# KiCad board ben-eater-computer.kicad_pcb
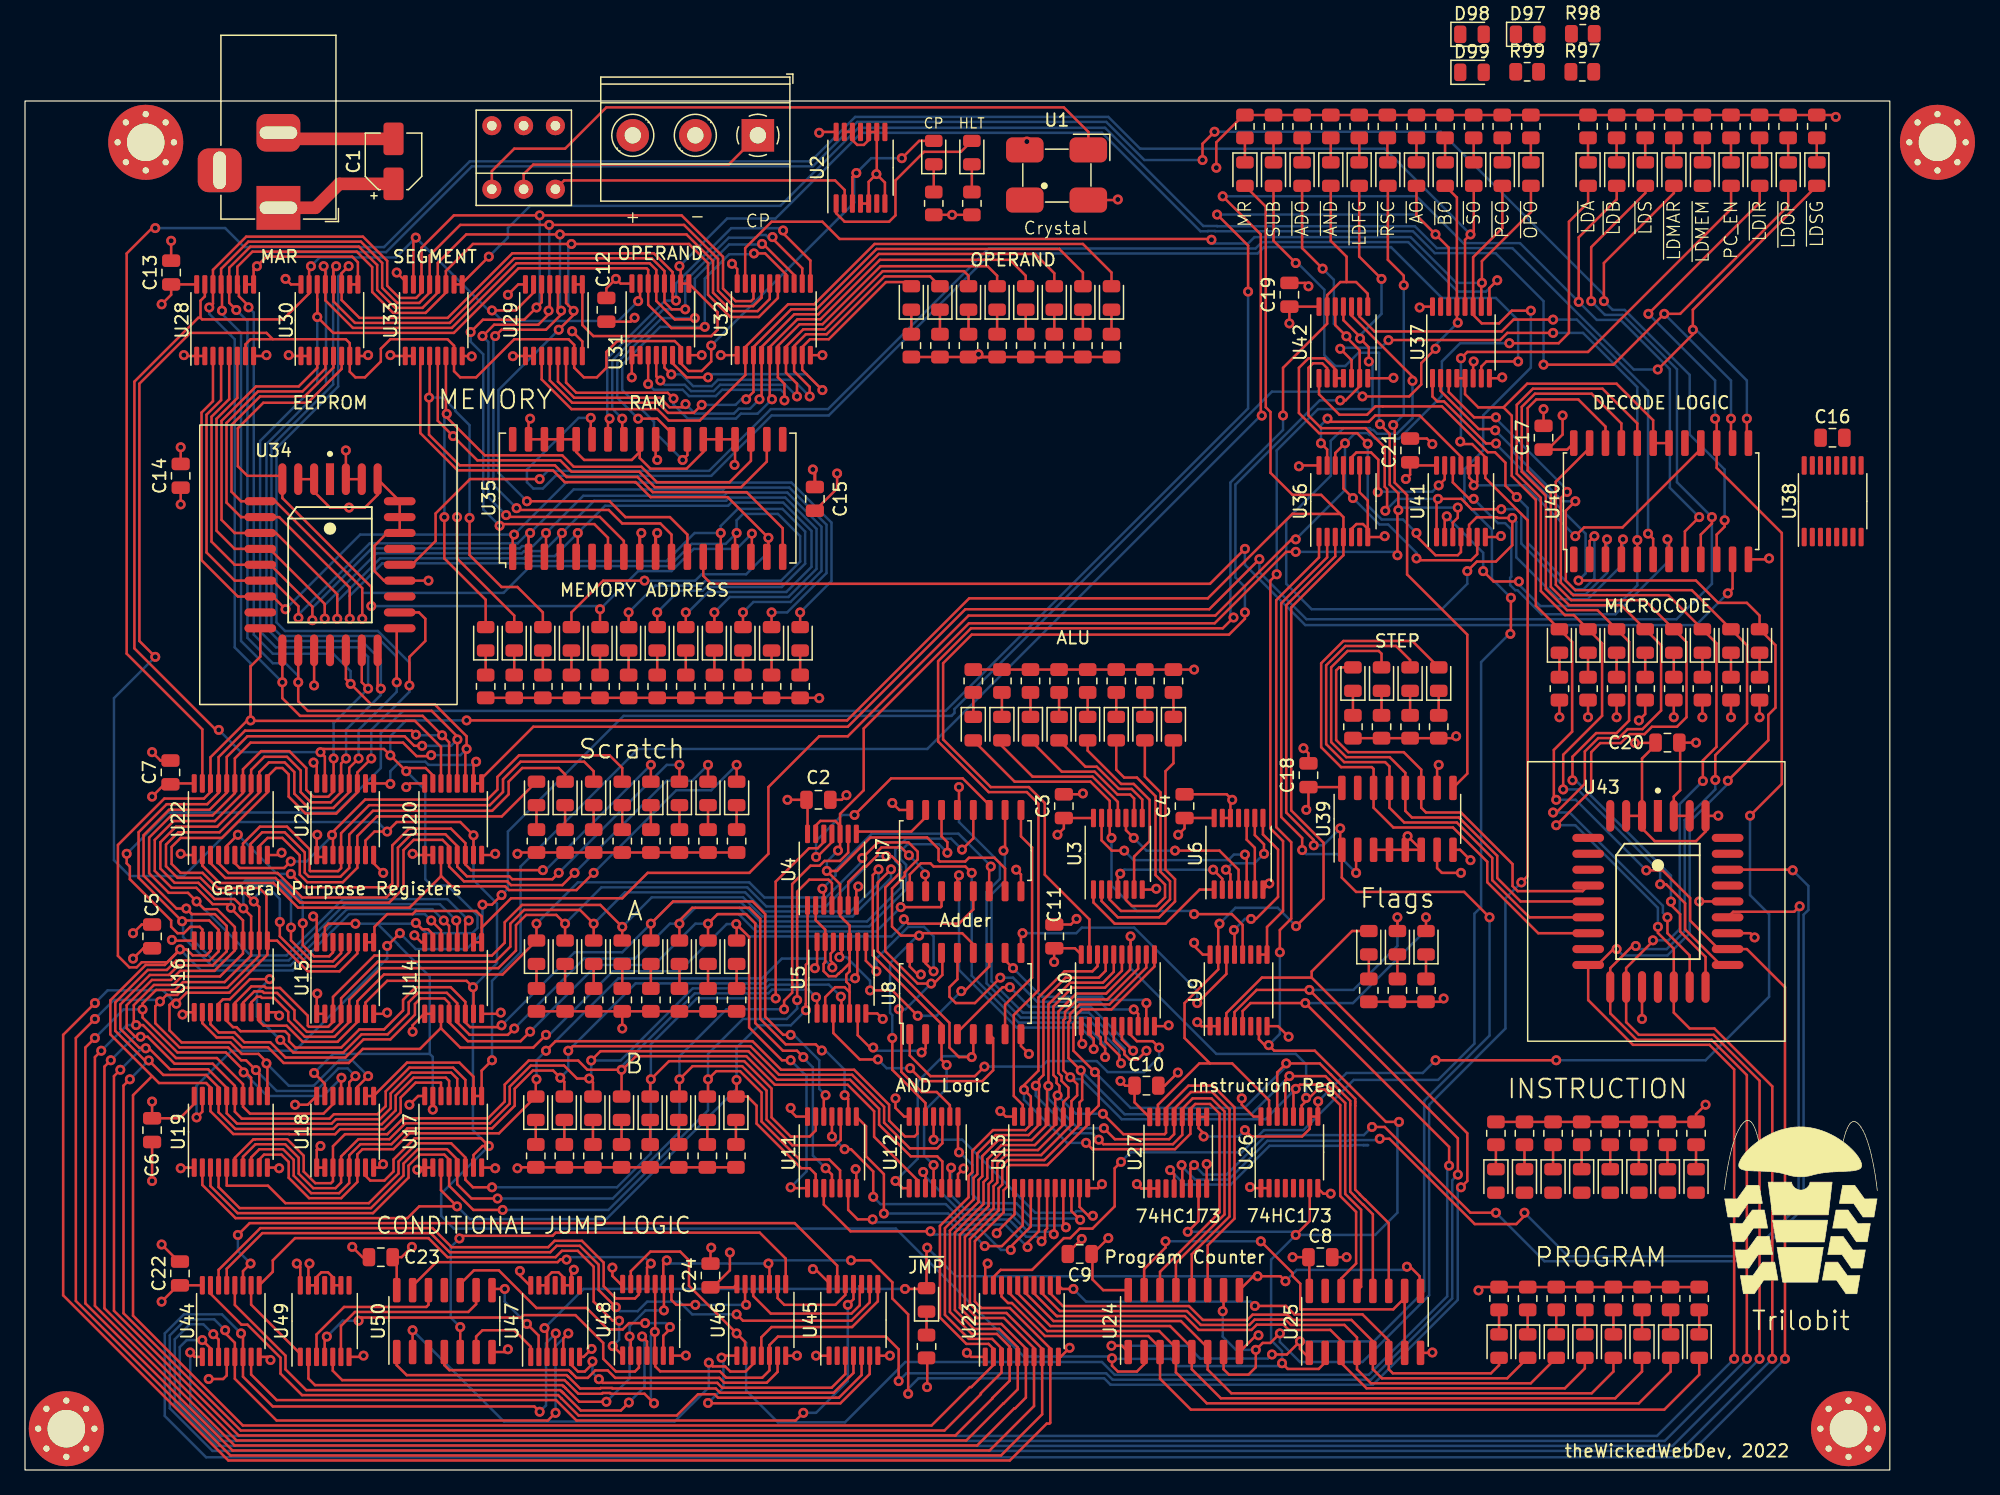
[diagram p0: board, top side]
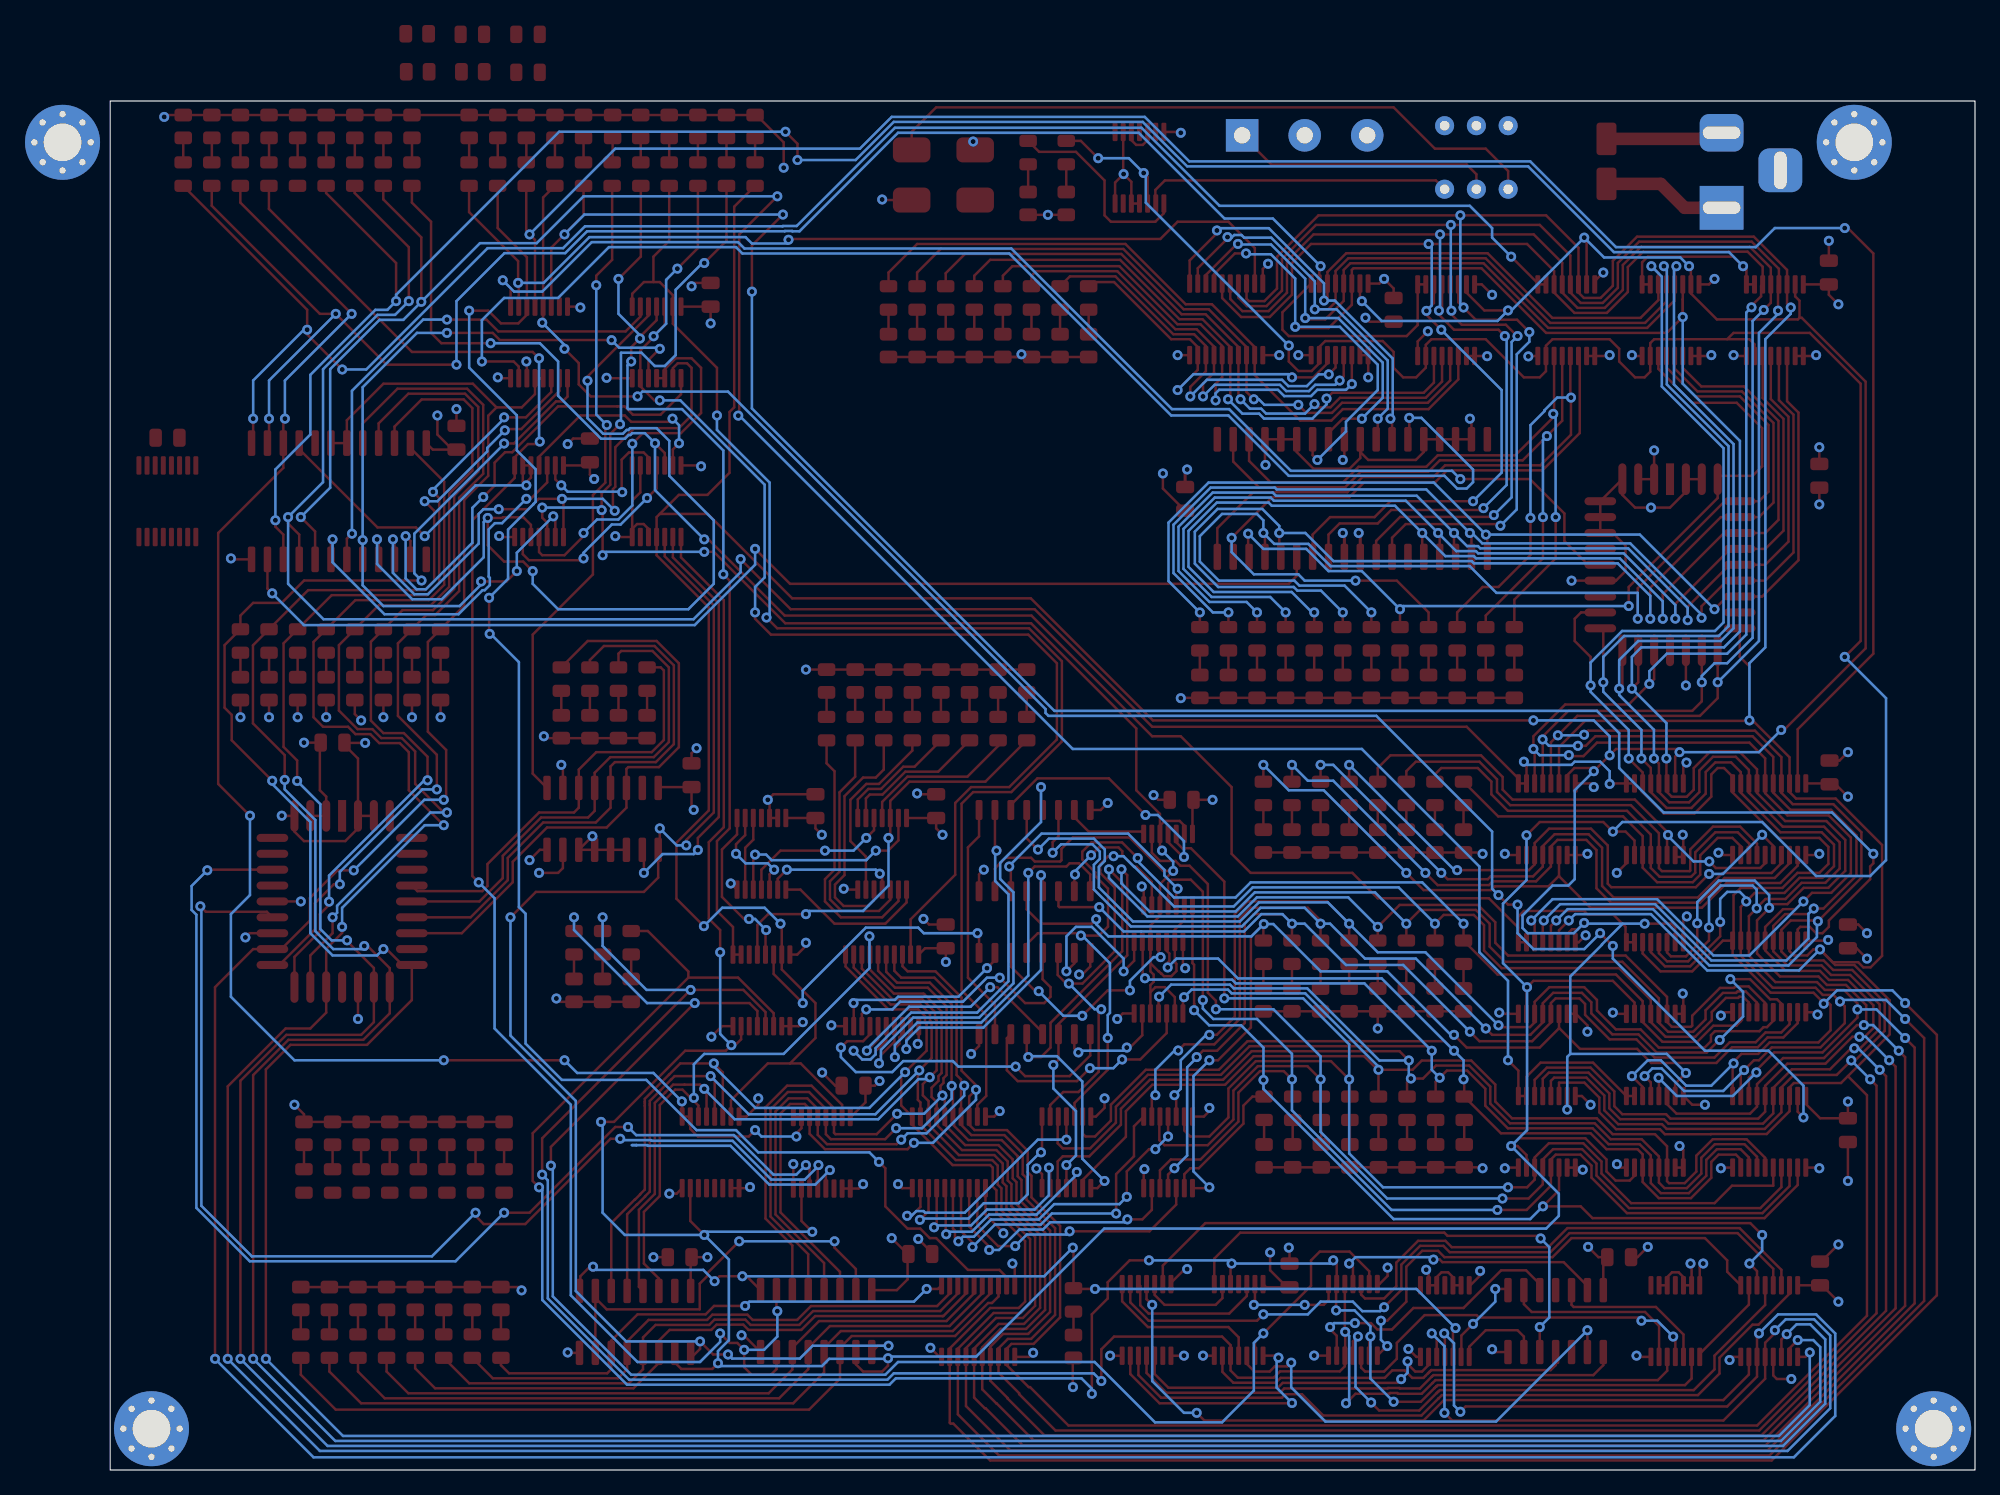
[diagram p1: board, bottom side, seen from below]

Outline 149.1 x 109.47 mm; copper layers: Top, In1.Cu, In2.Cu, Bottom. Coordinates in mm from the lower left corner of the outline.
Outline path: rectangle 0,109.47 149.1,0
Stack: Top 0.035mm / dielectric 1.51mm FR4 er 4.5 / In1.Cu 0.035mm / dielectric 1.51mm FR4 er 4.5 / In2.Cu 0.035mm / dielectric 1.51mm FR4 er 4.5 / Bottom 0.035mm

## Placement (name value [footprint] x y rotation side)
C1  C_Polarized  [CP_Elec_4x3]  29.46 104.65 90 top
C2  C  [C_0805_2012Metric]  63.43 53.59 0 top
C3  C  [C_0805_2012Metric]  83.06 53.09 90 top
C4  C  [C_0805_2012Metric]  92.71 53.09 90 top
C5  C  [C_0805_2012Metric]  10.16 42.67 270 top
C6  C  [C_0805_2012Metric]  10.16 27.18 270 top
C7  C  [C_0805_2012Metric]  11.63 55.78 90 top
C8  C  [C_0805_2012Metric]  103.57 17.02 0 top
C9  C  [C_0805_2012Metric]  84.33 17.27 180 top
C10  C  [C_0805_2012Metric]  89.66 30.73 0 top
C11  C  [C_0805_2012Metric]  82.3 42.67 90 top
C12  C  [C_0805_2012Metric]  46.48 92.78 270 top
C13  C  [C_0805_2012Metric]  11.68 95.76 90 top
C14  C  [C_0805_2012Metric]  12.45 79.5 90 top
C15  C  [C_0805_2012Metric]  63.15 77.66 90 top
C16  C  [C_0805_2012Metric]  144.51 82.55 0 top
C17  C  [C_0805_2012Metric]  121.41 82.55 90 top
C18  C  [C_0805_2012Metric]  102.62 55.56 90 top
C19  C  [C_0805_2012Metric]  101.09 93.98 90 top
C20  C  [C_0805_2012Metric]  131.32 58.17 180 top
C21  C  [C_0805_2012Metric]  110.74 81.53 90 top
C22  C  [C_0805_2012Metric]  12.39 15.72 90 top
C23  C  [C_0805_2012Metric]  28.45 17.02 180 top
C24  C  [C_0805_2012Metric]  54.81 15.56 90 top
D1  LED  [LED_0805_2012Metric]  72.66 105.35 90 top
D2  LED  [LED_0805_2012Metric]  75.7 105.35 90 top
D3  LED  [LED_0805_2012Metric]  75.82 59.29 270 top
D4  LED  [LED_0805_2012Metric]  78.11 59.29 270 top
D5  LED  [LED_0805_2012Metric]  80.39 59.29 270 top
D6  LED  [LED_0805_2012Metric]  107.44 42.16 90 top
D7  LED  [LED_0805_2012Metric]  82.68 59.29 270 top
D8  LED  [LED_0805_2012Metric]  109.73 42.16 90 top
D9  LED  [LED_0805_2012Metric]  84.96 59.29 270 top
D10  LED  [LED_0805_2012Metric]  112.01 42.16 90 top
D11  LED  [LED_0805_2012Metric]  87.25 59.29 270 top
D12  LED  [LED_0805_2012Metric]  89.53 59.29 270 top
D13  LED  [LED_0805_2012Metric]  91.82 59.29 270 top
D14  LED  [LED_0805_2012Metric]  40.89 41.4 90 top
D15  LED  [LED_0805_2012Metric]  43.18 41.4 90 top
D16  LED  [LED_0805_2012Metric]  45.47 41.4 90 top
D17  LED  [LED_0805_2012Metric]  47.75 41.4 90 top
D18  LED  [LED_0805_2012Metric]  50.04 41.4 90 top
D19  LED  [LED_0805_2012Metric]  52.32 41.4 90 top
D20  LED  [LED_0805_2012Metric]  54.61 41.4 90 top
D21  LED  [LED_0805_2012Metric]  56.9 41.4 90 top
D22  LED  [LED_0805_2012Metric]  40.84 28.93 90 top
D23  LED  [LED_0805_2012Metric]  43.12 28.93 90 top
D24  LED  [LED_0805_2012Metric]  45.41 28.93 90 top
D25  LED  [LED_0805_2012Metric]  47.69 28.93 90 top
D26  LED  [LED_0805_2012Metric]  49.98 28.93 90 top
D27  LED  [LED_0805_2012Metric]  52.27 28.93 90 top
D28  LED  [LED_0805_2012Metric]  54.55 28.93 90 top
D29  LED  [LED_0805_2012Metric]  56.84 28.93 90 top
D30  LED  [LED_0805_2012Metric]  40.89 54.1 90 top
D31  LED  [LED_0805_2012Metric]  43.18 54.1 90 top
D32  LED  [LED_0805_2012Metric]  45.47 54.1 90 top
D33  LED  [LED_0805_2012Metric]  47.75 54.1 90 top
D34  LED  [LED_0805_2012Metric]  50.04 54.1 90 top
D35  LED  [LED_0805_2012Metric]  52.32 54.1 90 top
D36  LED  [LED_0805_2012Metric]  54.61 54.1 90 top
D37  LED  [LED_0805_2012Metric]  56.9 54.1 90 top
D38  LED  [LED_0805_2012Metric]  117.86 9.91 270 top
D39  LED  [LED_0805_2012Metric]  120.14 9.91 270 top
D40  LED  [LED_0805_2012Metric]  122.43 9.91 270 top
D41  LED  [LED_0805_2012Metric]  124.71 9.91 270 top
D42  LED  [LED_0805_2012Metric]  127 9.91 270 top
D43  LED  [LED_0805_2012Metric]  129.29 9.91 270 top
D44  LED  [LED_0805_2012Metric]  131.57 9.91 270 top
D45  LED  [LED_0805_2012Metric]  133.86 9.91 270 top
D46  LED  [LED_0805_2012Metric]  117.6 23.11 270 top
D47  LED  [LED_0805_2012Metric]  119.89 23.11 270 top
D48  LED  [LED_0805_2012Metric]  122.17 23.11 270 top
D49  LED  [LED_0805_2012Metric]  124.46 23.11 270 top
D50  LED  [LED_0805_2012Metric]  126.75 23.11 270 top
D51  LED  [LED_0805_2012Metric]  129.03 23.11 270 top
D52  LED  [LED_0805_2012Metric]  131.32 23.11 270 top
D53  LED  [LED_0805_2012Metric]  133.6 23.11 270 top
D54  LED  [LED_0805_2012Metric]  36.83 66.47 90 top
D55  LED  [LED_0805_2012Metric]  39.12 66.47 90 top
D56  LED  [LED_0805_2012Metric]  41.4 66.47 90 top
D57  LED  [LED_0805_2012Metric]  43.69 66.47 90 top
D58  LED  [LED_0805_2012Metric]  45.97 66.47 90 top
D59  LED  [LED_0805_2012Metric]  48.26 66.47 90 top
D60  LED  [LED_0805_2012Metric]  50.55 66.47 90 top
D61  LED  [LED_0805_2012Metric]  52.83 66.47 90 top
D62  LED  [LED_0805_2012Metric]  55.12 66.47 90 top
D63  LED  [LED_0805_2012Metric]  57.4 66.47 90 top
D64  LED  [LED_0805_2012Metric]  59.69 66.47 90 top
D65  LED  [LED_0805_2012Metric]  61.98 66.47 90 top
D66  LED  [LED_0805_2012Metric]  70.87 93.73 90 top
D67  LED  [LED_0805_2012Metric]  73.15 93.73 90 top
D68  LED  [LED_0805_2012Metric]  75.44 93.73 90 top
D69  LED  [LED_0805_2012Metric]  77.72 93.73 90 top
D70  LED  [LED_0805_2012Metric]  80.01 93.73 90 top
D71  LED  [LED_0805_2012Metric]  82.3 93.73 90 top
D72  LED  [LED_0805_2012Metric]  84.58 93.73 90 top
D73  LED  [LED_0805_2012Metric]  86.87 93.73 90 top
D74  LED  [LED_0805_2012Metric]  106.17 63.25 90 top
D75  LED  [LED_0805_2012Metric]  108.46 63.25 90 top
D76  LED  [LED_0805_2012Metric]  110.74 63.25 90 top
D77  LED  [LED_0805_2012Metric]  113.03 63.25 90 top
D78  LED  [LED_0805_2012Metric]  108.97 103.63 270 top
D79  LED  [LED_0805_2012Metric]  136.41 103.63 270 top
D80  LED  [LED_0805_2012Metric]  97.54 103.63 270 top
D81  LED  [LED_0805_2012Metric]  131.83 103.63 270 top
D82  LED  [LED_0805_2012Metric]  143.26 103.63 270 top
D83  LED  [LED_0805_2012Metric]  120.4 103.63 270 top
D84  LED  [LED_0805_2012Metric]  140.98 103.63 270 top
D85  LED  [LED_0805_2012Metric]  134.12 103.63 270 top
D85#2  LED  [LED_0805_2012Metric]  118.12 103.63 270 top
D86  LED  [LED_0805_2012Metric]  138.69 103.63 270 top
D87  LED  [LED_0805_2012Metric]  106.67 103.63 270 top
D88  LED  [LED_0805_2012Metric]  104.4 103.63 270 top
D89  LED  [LED_0805_2012Metric]  102.11 103.63 270 top
D90  LED  [LED_0805_2012Metric]  99.82 103.63 270 top
D91  LED  [LED_0805_2012Metric]  115.83 103.63 270 top
D92  LED  [LED_0805_2012Metric]  129.55 103.63 270 top
D93  LED  [LED_0805_2012Metric]  113.55 103.63 270 top
D94  LED  [LED_0805_2012Metric]  127.26 103.63 270 top
D95  LED  [LED_0805_2012Metric]  111.25 103.63 270 top
D96  LED  [LED_0805_2012Metric]  124.98 103.63 270 top
D97  LED  [LED_0805_2012Metric]  120.14 114.81 0 top
D98  LED  [LED_0805_2012Metric]  115.69 114.81 0 top
D99  LED  [LED_0805_2012Metric]  115.69 111.77 0 top
D100  LED  [LED_0805_2012Metric]  122.68 66.29 90 top
D101  LED  [LED_0805_2012Metric]  124.97 66.29 90 top
D102  LED  [LED_0805_2012Metric]  127.25 66.29 90 top
D103  LED  [LED_0805_2012Metric]  129.54 66.29 90 top
D104  LED  [LED_0805_2012Metric]  131.83 66.29 90 top
D105  LED  [LED_0805_2012Metric]  134.11 66.29 90 top
D106  LED  [LED_0805_2012Metric]  136.4 66.29 90 top
D107  LED  [LED_0805_2012Metric]  138.68 66.29 90 top
D108  LED  [LED_0805_2012Metric]  72.08 13.6 90 top
J1  Screw_Terminal_01x03  [TerminalBlock_Phoenix_MKDS-1,5-3_1x03_P5.00mm_Horizontal]  58.59 106.73 180 top
J2  Barrel_Jack_MountingPin  [BarrelJack_Horizontal]  20.26 100.93 270 top
R1  R_Small_US  [R_0805_2012Metric]  72.66 101.29 270 top
R2  R_Small_US  [R_0805_2012Metric]  75.7 101.29 270 top
R3  R_Small_US  [R_0805_2012Metric]  75.82 63.1 90 top
R4  R_Small_US  [R_0805_2012Metric]  78.11 63.1 90 top
R5  R_Small_US  [R_0805_2012Metric]  80.39 63.1 90 top
R6  R_Small_US  [R_0805_2012Metric]  107.44 38.35 270 top
R7  R_Small_US  [R_0805_2012Metric]  82.68 63.1 90 top
R8  R_Small_US  [R_0805_2012Metric]  109.73 38.35 270 top
R9  R_Small_US  [R_0805_2012Metric]  84.96 63.1 90 top
R10  R_Small_US  [R_0805_2012Metric]  112.01 38.35 270 top
R11  R_Small_US  [R_0805_2012Metric]  87.25 63.1 90 top
R12  R_Small_US  [R_0805_2012Metric]  89.53 63.1 90 top
R13  R_Small_US  [R_0805_2012Metric]  91.82 63.1 90 top
R14  R_Small_US  [R_0805_2012Metric]  40.89 37.59 270 top
R15  R_Small_US  [R_0805_2012Metric]  43.18 37.59 270 top
R16  R_Small_US  [R_0805_2012Metric]  45.47 37.59 270 top
R17  R_Small_US  [R_0805_2012Metric]  47.75 37.59 270 top
R18  R_Small_US  [R_0805_2012Metric]  50.04 37.59 270 top
R19  R_Small_US  [R_0805_2012Metric]  52.32 37.59 270 top
R20  R_Small_US  [R_0805_2012Metric]  54.61 37.59 270 top
R21  R_Small_US  [R_0805_2012Metric]  56.9 37.59 270 top
R22  R_Small_US  [R_0805_2012Metric]  40.84 25.12 270 top
R23  R_Small_US  [R_0805_2012Metric]  43.12 25.12 270 top
R24  R_Small_US  [R_0805_2012Metric]  45.41 25.12 270 top
R25  R_Small_US  [R_0805_2012Metric]  47.69 25.12 270 top
R26  R_Small_US  [R_0805_2012Metric]  49.98 25.12 270 top
R27  R_Small_US  [R_0805_2012Metric]  52.27 25.12 270 top
R28  R_Small_US  [R_0805_2012Metric]  54.55 25.12 270 top
R29  R_Small_US  [R_0805_2012Metric]  56.84 25.12 270 top
R30  R_Small_US  [R_0805_2012Metric]  40.89 50.29 270 top
R31  R_Small_US  [R_0805_2012Metric]  43.18 50.29 270 top
R32  R_Small_US  [R_0805_2012Metric]  45.47 50.29 270 top
R33  R_Small_US  [R_0805_2012Metric]  47.75 50.29 270 top
R34  R_Small_US  [R_0805_2012Metric]  50.04 50.29 270 top
R35  R_Small_US  [R_0805_2012Metric]  52.32 50.29 270 top
R36  R_Small_US  [R_0805_2012Metric]  54.61 50.29 270 top
R37  R_Small_US  [R_0805_2012Metric]  56.9 50.29 270 top
R38  R_Small_US  [R_0805_2012Metric]  117.86 13.72 90 top
R39  R_Small_US  [R_0805_2012Metric]  120.14 13.72 90 top
R40  R_Small_US  [R_0805_2012Metric]  122.43 13.72 90 top
R41  R_Small_US  [R_0805_2012Metric]  124.71 13.72 90 top
R42  R_Small_US  [R_0805_2012Metric]  127 13.72 90 top
R43  R_Small_US  [R_0805_2012Metric]  129.29 13.72 90 top
R44  R_Small_US  [R_0805_2012Metric]  131.57 13.72 90 top
R45  R_Small_US  [R_0805_2012Metric]  133.86 13.72 90 top
R46  R_Small_US  [R_0805_2012Metric]  117.6 26.92 90 top
R47  R_Small_US  [R_0805_2012Metric]  119.89 26.92 90 top
R48  R_Small_US  [R_0805_2012Metric]  122.17 26.92 90 top
R49  R_Small_US  [R_0805_2012Metric]  124.46 26.92 90 top
R50  R_Small_US  [R_0805_2012Metric]  126.75 26.92 90 top
R51  R_Small_US  [R_0805_2012Metric]  129.03 26.92 90 top
R52  R_Small_US  [R_0805_2012Metric]  131.32 26.92 90 top
R53  R_Small_US  [R_0805_2012Metric]  133.6 26.92 90 top
R54  R_Small_US  [R_0805_2012Metric]  36.83 62.66 270 top
R55  R_Small_US  [R_0805_2012Metric]  39.12 62.66 270 top
R56  R_Small_US  [R_0805_2012Metric]  41.4 62.66 270 top
R57  R_Small_US  [R_0805_2012Metric]  43.69 62.66 270 top
R58  R_Small_US  [R_0805_2012Metric]  45.97 62.66 270 top
R59  R_Small_US  [R_0805_2012Metric]  48.26 62.66 270 top
R60  R_Small_US  [R_0805_2012Metric]  50.55 62.66 270 top
R61  R_Small_US  [R_0805_2012Metric]  52.83 62.66 270 top
R62  R_Small_US  [R_0805_2012Metric]  55.12 62.66 270 top
R63  R_Small_US  [R_0805_2012Metric]  57.4 62.66 270 top
R64  R_Small_US  [R_0805_2012Metric]  59.69 62.66 270 top
R65  R_Small_US  [R_0805_2012Metric]  61.98 62.66 270 top
R66  R_Small_US  [R_0805_2012Metric]  70.87 89.92 270 top
R67  R_Small_US  [R_0805_2012Metric]  73.15 89.92 270 top
R68  R_Small_US  [R_0805_2012Metric]  75.44 89.92 270 top
R69  R_Small_US  [R_0805_2012Metric]  77.72 89.92 270 top
R70  R_Small_US  [R_0805_2012Metric]  80.01 89.92 270 top
R71  R_Small_US  [R_0805_2012Metric]  82.3 89.92 270 top
R72  R_Small_US  [R_0805_2012Metric]  84.58 89.92 270 top
R73  R_Small_US  [R_0805_2012Metric]  86.87 89.92 270 top
R74  R_Small_US  [R_0805_2012Metric]  106.17 59.44 270 top
R75  R_Small_US  [R_0805_2012Metric]  108.46 59.44 270 top
R76  R_Small_US  [R_0805_2012Metric]  110.74 59.44 270 top
R77  R_Small_US  [R_0805_2012Metric]  113.03 59.44 270 top
R78  R_Small_US  [R_0805_2012Metric]  108.93 107.44 90 top
R79  R_Small_US  [R_0805_2012Metric]  136.4 107.44 90 top
R80  R_Small_US  [R_0805_2012Metric]  97.54 107.44 90 top
R81  R_Small_US  [R_0805_2012Metric]  131.83 107.44 90 top
R82  R_Small_US  [R_0805_2012Metric]  143.26 107.44 90 top
R83  R_Small_US  [R_0805_2012Metric]  120.4 107.44 90 top
R84  R_Small_US  [R_0805_2012Metric]  140.97 107.44 90 top
R85  R_Small_US  [R_0805_2012Metric]  134.11 107.44 90 top
R85#2  R_Small_US  [R_0805_2012Metric]  118.11 107.44 90 top
R86  R_Small_US  [R_0805_2012Metric]  138.68 107.44 90 top
R87  R_Small_US  [R_0805_2012Metric]  106.68 107.44 90 top
R88  R_Small_US  [R_0805_2012Metric]  104.4 107.44 90 top
R89  R_Small_US  [R_0805_2012Metric]  102.11 107.44 90 top
R90  R_Small_US  [R_0805_2012Metric]  99.82 107.44 90 top
R91  R_Small_US  [R_0805_2012Metric]  115.82 107.44 90 top
R92  R_Small_US  [R_0805_2012Metric]  129.54 107.44 90 top
R93  R_Small_US  [R_0805_2012Metric]  113.54 107.44 90 top
R94  R_Small_US  [R_0805_2012Metric]  127.25 107.44 90 top
R95  R_Small_US  [R_0805_2012Metric]  111.25 107.44 90 top
R96  R_Small_US  [R_0805_2012Metric]  124.97 107.44 90 top
R97  R_Small_US  [R_0805_2012Metric]  124.51 111.81 0 top
R98  R_Small_US  [R_0805_2012Metric]  124.55 114.85 0 top
R99  R_Small_US  [R_0805_2012Metric]  120.1 111.81 0 top
R100  R_Small_US  [R_0805_2012Metric]  122.68 62.48 270 top
R101  R_Small_US  [R_0805_2012Metric]  124.97 62.48 270 top
R102  R_Small_US  [R_0805_2012Metric]  127.25 62.48 270 top
R103  R_Small_US  [R_0805_2012Metric]  129.54 62.48 270 top
R104  R_Small_US  [R_0805_2012Metric]  131.83 62.48 270 top
R105  R_Small_US  [R_0805_2012Metric]  134.11 62.48 270 top
R106  R_Small_US  [R_0805_2012Metric]  136.4 62.48 270 top
R107  R_Small_US  [R_0805_2012Metric]  138.68 62.48 270 top
R108  R_Small_US  [R_0805_2012Metric]  72.08 9.88 270 top
REF**  -  [MountingHole_3mm_Pad_Via]  145.8 3.3 0 top
REF**#2  -  [MountingHole_3mm_Pad_Via]  3.3 3.3 0 top
REF**#3  -  [MountingHole_3mm_Pad_Via]  152.91 106.17 0 top
REF**#4  -  [MountingHole_3mm_Pad_Via]  9.65 106.17 0 top
REF**#5  -  [trilobyte-logo]  141.97 31.91 0 top
SW1  SW_SPDT  [THT-DPDT]  40.25 110.52 0 top
U1  SMD_Crystal  [CFPS-72 SMD Clock]  82.53 113.74 0 top
U2  74LS08  [TSSOP-14_4.4x5mm_P0.65mm]  66.8 104.14 90 top
U3  74LS02  [TSSOP-14_4.4x5mm_P0.65mm]  87.38 49.28 90 top
U4  74LS86  [TSSOP-14_4.4x5mm_P0.65mm]  64.52 48.01 90 top
U5  74LS86  [TSSOP-14_4.4x5mm_P0.65mm]  65.28 39.37 90 top
U6  74LS08  [TSSOP-14_4.4x5mm_P0.65mm]  97.03 49.28 90 top
U7  74LS283  [SOIC-16_4.55x10.3mm_P1.27mm]  75.18 49.53 90 top
U8  74LS283  [SOIC-16_4.55x10.3mm_P1.27mm]  75.18 38.1 90 top
U9  74LS173  [TSSOP-16_4.4x5mm_P0.65mm]  97.03 38.35 90 top
U10  74LS245  [TSSOP-20_4.4x6.5mm_P0.65mm]  87.38 38.35 90 top
U11  74LS08  [TSSOP-14_4.4x5mm_P0.65mm]  64.52 25.4 90 top
U12  74LS08  [TSSOP-14_4.4x5mm_P0.65mm]  72.64 25.4 90 top
U13  74LS245  [TSSOP-20_4.4x6.5mm_P0.65mm]  82.04 25.4 90 top
U14  74LS173  [TSSOP-16_4.4x5mm_P0.65mm]  34.23 39.34 90 top
U15  74LS173  [TSSOP-16_4.4x5mm_P0.65mm]  25.6 39.34 90 top
U16  74LS245  [TSSOP-20_4.4x6.5mm_P0.65mm]  16.45 39.47 90 top
U17  74LS173  [TSSOP-16_4.4x5mm_P0.65mm]  34.23 27.04 90 top
U18  74LS173  [TSSOP-16_4.4x5mm_P0.65mm]  25.6 27.04 90 top
U19  74LS245  [TSSOP-20_4.4x6.5mm_P0.65mm]  16.45 27.04 90 top
U20  74LS173  [TSSOP-16_4.4x5mm_P0.65mm]  34.23 52.04 90 top
U21  74LS173  [TSSOP-16_4.4x5mm_P0.65mm]  25.6 52.04 90 top
U22  74LS245  [TSSOP-20_4.4x6.5mm_P0.65mm]  16.45 52.04 90 top
U23  74LS245  [TSSOP-20_4.4x6.5mm_P0.65mm]  79.7 11.91 90 top
U24  74LS161  [SOIC-16_3.9x9.9mm_P1.27mm]  92.65 11.91 90 top
U25  74LS161  [SOIC-16_3.9x9.9mm_P1.27mm]  107.13 11.84 90 top
U26  74LS173  [TSSOP-16_4.4x5mm_P0.65mm]  101.09 25.4 90 top
U27  74LS173  [TSSOP-16_4.4x5mm_P0.65mm]  92.2 25.37 90 top
U28  74LS173  [TSSOP-16_4.4x5mm_P0.65mm]  16 91.95 90 top
U29  74LS173  [TSSOP-16_4.4x5mm_P0.65mm]  42.28 91.95 90 top
U30  74LS173  [TSSOP-16_4.4x5mm_P0.65mm]  24.34 91.95 90 top
U31  74LS173  [TSSOP-16_4.4x5mm_P0.65mm]  50.8 92.01 90 top
U32  74LS245  [TSSOP-20_4.4x6.5mm_P0.65mm]  59.87 92.01 90 top
U33  74LS173  [TSSOP-16_4.4x5mm_P0.65mm]  32.68 91.95 90 top
U34  PLCC32_28_28C256  [PLCC-32-SOCKET-Microchip-32J-10_2001-B-IPC_A]  24.38 72.39 0 top
U35  IS61C5128AL-10KLI  [SOJ-36_10.16x23.49mm_P1.27mm]  49.78 77.72 90 top
U36  74LS04  [TSSOP-14_4.4x5mm_P0.65mm]  105.41 77.47 90 top
U37  74LS138  [TSSOP-16_4.4x5mm_P0.65mm]  114.81 90.17 90 top
U38  74LS138  [TSSOP-16_4.4x5mm_P0.65mm]  144.53 77.47 90 top
U39  74LS161  [SOIC-16_3.9x9.9mm_P1.27mm]  109.73 52.07 90 top
U40  74LS154  [SOIC-24W_7.5x15.4mm_P1.27mm]  130.81 77.47 90 top
U41  74LS00  [TSSOP-14_4.4x5mm_P0.65mm]  114.81 77.47 90 top
U42  74LS08  [TSSOP-14_4.4x5mm_P0.65mm]  105.41 90.17 90 top
U43  PLCC32_28_28C256  [PLCC-32-SOCKET-Microchip-32J-10_2001-B-IPC_A]  130.56 45.47 0 top
U44  74LS138  [TSSOP-16_4.4x5mm_P0.65mm]  16.45 11.91 90 top
U45  74LS04  [TSSOP-14_4.4x5mm_P0.65mm]  66.24 12 90 top
U46  74LS08  [TSSOP-14_4.4x5mm_P0.65mm]  58.87 12 90 top
U47  74LS08  [TSSOP-14_4.4x5mm_P0.65mm]  42.39 11.91 90 top
U48  74LS32  [TSSOP-14_4.4x5mm_P0.65mm]  49.73 12.01 90 top
U49  74LS32  [TSSOP-14_4.4x5mm_P0.65mm]  23.96 11.91 90 top
U50  74LS21  [SOIC-14_3.9x8.7mm_P1.27mm]  33.53 11.91 90 top

## Library data of the parts
U9 = -: Field4: Flags Register
